# Altium PCB SAMW25_Xplained_Pro.PcbDoc (part 1 of 9) (continued)
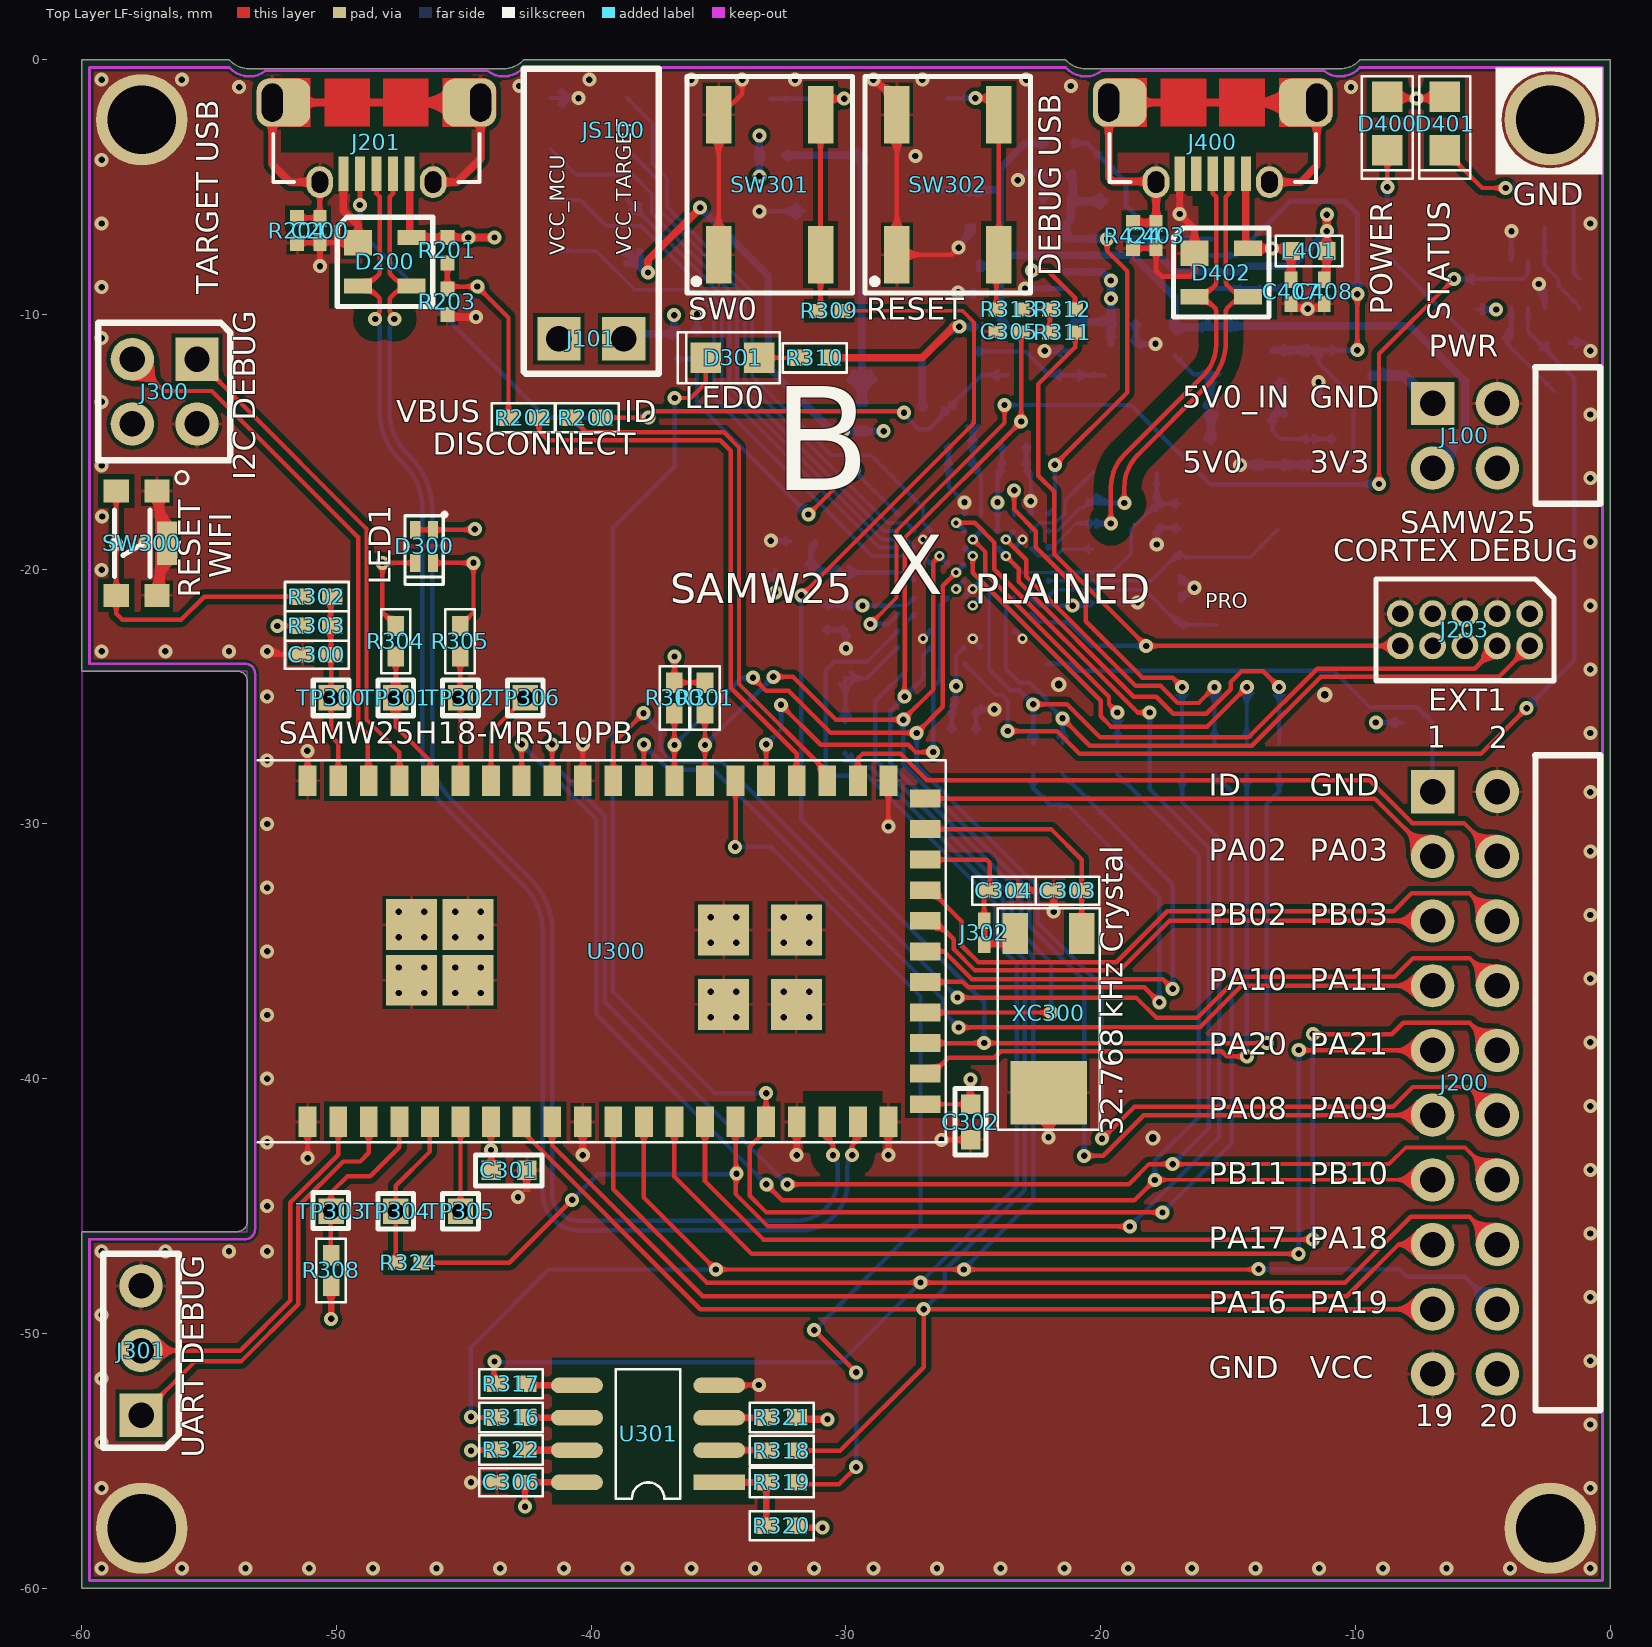
[diagram p0: Top Layer LF-signals view]
## Footprints (in the part's own frame and the unit in brackets; to place one, negate y for a bottom-side part, rotate by r counter-clockwise, add the part's x,y. Pads: shape width x height; smd on the part's side, far side on the other; paste and mask are expansions set on the pad) (continued)
  silkscreen extent -7.5,-13.65 7.5,13.36, body extent -7.45,-13.6 7.45,20.26, height 3.37

## Part data
C100 C102 C103 C306 C404 C410 C411 C412 C413: library part A01-0246, "Ceramic capacitor, SMD 0402, X7R, 16V, +/-10%"
C101 C104 C301 C302: library part A01-0491, "Ceramic capacitor, SMD 0603, X5R, 16V, 10UF ± 20% (High Density)"
C200 C403: library part A01-0046, "Ceramic capacitor, SMD 0402, X7R, 25V, +/-10%"
C300 C305: library part A01-0539, "Ceramic capacitor, SMD 0402, X7R, 16V, +/-10 %"
C303 C304: library part A01-0014, "Ceramic capacitor, SMD 0402, NP0, 50V, +/-5%"
C400 C401: library part A01-0019, "Ceramic capacitor, SMD 0402, NP0, 50V, +/-5%"
C402: library part A01-0015, "Ceramic capacitor, SMD 0402, NP0, 50V, +/-5%"
C405 C409 C414 C415: library part A01-0300, "Ceramic capacitor, SMD 0402, X5R, 6.3V, +/-20%"
C406 C407 C408: library part A01-0321, "Ceramic capacitor, SMD 0402, C0G, 50V, +/-5%"
D200 D402: library part A06-0236, "Double rail-to-rail USB ESD protection diode"
D300: library part A10-0154, "LED, Bicolor, Red/Green, Diffused, 1.6 x 0.8 mm (0603)"
D301 D401: library part A10-0019, "LED, Yellow, Wave length=591nm, SMD 0805, ±70°"
D400: library part A10-0018, "LED, Green, Wave length=575nm, SMD 0805, ±70°"
E1 E2 E3 E4: library part A08-0053, "2.8mm adhesive feet,diam 8.0mm"
J100: library part A08-1519, "Pin header, 2x2, Right Angle, 2.54mm, THT, Pin In Paste"
J101: library part A08-0764, "1x2 pin header, right angle, 2.54 mm pitch, through-hole"
J200: library part A08-1513, "Pin header, 2x10, Right Angle, 2.54mm, THM, Pin In Paste"
J201 J400: library part A08-2112, "Micro USB AB Connector, Standard SMT + DIP"
J203: library part A08-0385, "2x5 pin header, 1.27mm pitch, THM"
J300: library part A08-0115, "2x2 pin header, 2.54 mm pitch, Pin-in-Paste THM"
J301: library part A08-1799, "1x3 pin header, 2.54mm pitch, Pin-in-Paste THM, 1mm hole"
J302: library part A08-1454, "Closed Link 0402"
JS100: library part A08-0543, "Jumper cap for 2.54mm pinheader"
L401 L402: library part A03-0035, "SMD RF inductor 0603. Z=470Ohm (@100MHz), Max R(dc)=0.65Ohm, Max current=1A"
LABEL1: library part A09-0611, "PCBA identification label PP Top White Gloss"
Q100 Q101: library part A05-0087, "P-ch. MOSFET. -30V, -3.7A continuous,RDS(ON)=0.05Ohm@VGS=-4,5V, RDS(ON)=0.08Ohm@VGS=-2.5V"
Q102: library part A05-0085, "N-Channel MOSFET. 60V, 0.300A continuous, 1.2A Peak. RDS(ON) = 3.8Ohm@VGS=4.5V, VGS(th)<2.5V"
Q400: library part A05-0051, "Dual N-Channel MOSFET, 60V, 115mA cont,RDS(ON) < 7.5 Ohm @50mA@5V, SOT-363"
R101 R105 R106 R204 R410 R413 R424: library part A02-0284, "Thick film resistor, SMD 0402, 1/16W, 1%"
R103 R109 R110 R303 R308 R312 R320 R321 R322: library part A02-0260, "Thick film resistor, SMD 0402, 1/16W, 1%"
R104: library part A02-0250, "Thick film resistor, SMD 0402, 1/16W, 1%"
R107: library part A02-0202, "Thick film resistor, SMD 0402, 1/16W, 1%"
R108 R112 R113 R203: library part A02-0252, "Thick film resistor, SMD 0402, 1/16W, 1%"
R111 R324 R425: library part A02-0163, "Thick film resistor, SMD 0402, 1/16W, 1%"
R200 R310 R411 R412 R414 R416 R417 R418 R419 R420: library part A02-0200, "Thick film resistor, SMD 0402, 1/16W, 1%"
R201: library part A02-0247, "Thick film resistor, SMD 0402, 1/16W, 1%"
R202 R314 R315 R316 R317 R318 R319: library part A02-0163, "RES 0.0 OHM 1/16W 0402 SMD"
R300 R301: library part A02-0228, "Thick film resistor, SMD 0402, 1/16W, 1%"
R302 R309 R311 R313 R421 R422: library part A02-0178, "Thick film resistor, SMD 0402, 1/16W, 1%"
R304 R305 R409: library part A02-0212, "Thick film resistor, SMD 0402, 1/16W, 1%"
R423: library part A02-0539, "Thick film resistor, SMD 0402, 1/16W, 1%"
SW300: library part A08-0420, "Microminiature Tact Switch for SMT"
SW301 SW302: library part A08-0790, "6.2x6.2 mm SMD tact switch, same as A08-0091 but less force is needed"
TP300 TP301 TP302 TP303 TP304 TP305 TP306: library part A09-0290, "Hole for user grid with 1.27 mm pitch, 1x1 mm pad"
TP307 TP308 TP400 TP401 TP402 TP403 TP404 TP405 TP406 TP407: library part A08-0004, "Single SMD testpad"
U100: library part A06-1145, "1-A, LDO (0.455V @ 1A), 3.3V out, 1.5% accuracy, 6.0V Vin max."
U101: library part A06-0068, "Autoswitching 2:1 Power Mux"
U102: library part A06-1087, "Single channel power switch, 1A, reverse block, active low enabled."
U300: library part A06-1267, "IEEE 802.11 b/g/n module with onboard SAMD21G18A-MU and Crypto IC"
U301: library part A06-1051, "8Mbit SPI serial flash memory"
U400: library part A06-0736, "AVR 32-bit RISC MCU"
XC300: library part A07-0052, "32k768 crystal, +-20ppm, CL=7pF, max ESR 60kOhm, SMD"
XC400: library part A07-0042, "Fox FQ5032B 12.0MHz SMD crystal 738B-12"

## Free pads (board coordinates)
  round 0.8 smd far side: 0(-30.105,-20.125) 0(-30.029,-24.275) 0(-25.025,-14.166) 0(-6.863,-9.538) 0(-2.575,-6.575) 0(-2.172,-13.028)
  round 0.8 smd far side paste-1: 3(-22,-29.25) 3(-20.285,-29.25) 3(-19.85,-12.378) 3(-19.85,-5.55) 3(-19.825,-4) 3(-17.8,-16.25) 3(-15.675,-13.75) 3(-14.15,-8.975) 3(-12.925,-12.6)
  round 3.6 hole 2.7 paste-2.6: 666(-57.65,-57.65) 666(-57.65,-2.35) 666(-2.35,-57.65) 666(-2.35,-2.35)

## Via types
v1: diameter 0.55, hole 0.25, Top Layer LF-signals to Bottom Layer LF-signals, tented both sides, 213 vias
v2: diameter 0.55, hole 0.25, Top Layer LF-signals to Bottom Layer LF-signals, 46 vias
v3: diameter 0.55/0.8 (per signal layer), hole 0.25, Top Layer LF-signals to Bottom Layer LF-signals, tented top, 18 vias
v4: diameter 0.4, hole 0.2, Top Layer LF-signals to Bottom Layer LF-signals, 15 vias
v5: diameter 0.55, hole 0.25, Top Layer LF-signals to Bottom Layer LF-signals, tented top, 8 vias
v6: diameter 0.6, hole 0.3, Top Layer LF-signals to Bottom Layer LF-signals, tented both sides, 3 vias

## Nets (pads, with @x,y where several pads share a name; then routed paths per layer and width w, separated by ;. In a path a pad name is that pad's centre, name@x,y a point inside that pad or via, vN(x,y) a via of type N, cw(c..) or ccw(c..) an arc to the next point about the centre after c; other vN are vias at no path point)
DGI_GPIO0: R416.2 U400.F8 | length 39.2
  Top Layer LF-signals w0.175: v4(-25.025,-19.475) -25.025,-20.135 -20,-25.16 -20,-25.775 -19.6,-26.175 -15.815,-26.175 v3(-14.265,-24.625) ; -14.585,-24.945 cw(c-14.265,-25.265) v3@-14.265,-24.812 ; -14.585,-24.945 ccw(c-14.905,-24.625) v3@-14.452,-24.625 ; -14.585,-24.945 ccw(c-14.905,-24.625) v3@-14.452,-24.625 ; -14.585,-24.945 cw(c-14.265,-25.265) v3@-14.265,-24.812 ; -14.585,-24.945 ccw(c-14.905,-24.625) v3@-14.452,-24.625 ; -14.585,-24.945 cw(c-14.265,-25.265) v3@-14.265,-24.812 ; v3@-14.521,-24.881 cw(c-14.195,-24.968) v3@-14.262,-24.637 ; v3@-14.521,-24.881 ccw(c-14.608,-24.555) v3@-14.277,-24.622 ; v3@-14.521,-24.881 cw(c-14.195,-24.968) v3@-14.262,-24.637 ; v3@-14.521,-24.881 ccw(c-14.608,-24.555) v3@-14.277,-24.622 ; v3@-14.521,-24.881 cw(c-14.195,-24.968) v3@-14.262,-24.637 ; v3@-14.521,-24.881 ccw(c-14.608,-24.555) v3@-14.277,-24.622
  Bottom Layer LF-signals w0.15: U400.F8@-25.35,-19.15 v4(-25.025,-19.475) ; U400.F8@-25.286,-19.246 ccw(c-25.035,-18.996) v4@-25.028,-19.35 ; U400.F8@-25.254,-19.214 cw(c-25.504,-19.465) v4@-25.15,-19.472 ; -25.216,-19.316 cw(c-25.374,-19.475) v4@-25.15,-19.475 ; -25.184,-19.284 ccw(c-25.025,-19.126) v4@-25.025,-19.35 ; v4@-25.162,-19.37 ccw(c-25.454,-19.538) U400.F8@-25.367,-19.213 ; v4@-25.13,-19.338 cw(c-24.962,-19.046) U400.F8@-25.287,-19.133 ; R416.2@-14.265,-26.835 v3(-14.265,-24.625) ; U400.F8@-25.367,-19.213 cw(c-25.444,-19.499) -25.187,-19.351 ; U400.F8@-25.367,-19.213 cw(c-25.444,-19.499) -25.187,-19.351 ; U400.F8@-25.367,-19.213 cw(c-25.444,-19.499) -25.187,-19.351 ; U400.F8@-25.35,-19.215 cw(c-25.35,-19.372) -25.239,-19.261 ; U400.F8@-25.35,-19.215 cw(c-25.35,-19.372) -25.239,-19.261 ; U400.F8@-25.35,-19.215 cw(c-25.35,-19.372) -25.239,-19.261 ; U400.F8@-25.295,-19.242 ccw(c-25.035,-18.982) v4@-25.028,-19.35 ; U400.F8@-25.295,-19.242 ccw(c-25.035,-18.982) v4@-25.028,-19.35 ; U400.F8@-25.295,-19.242 ccw(c-25.035,-18.982) v4@-25.028,-19.35 ; U400.F8@-25.295,-19.242 ccw(c-25.035,-18.982) v4@-25.028,-19.35 ; U400.F8@-25.287,-19.133 ccw(c-25.001,-19.056) -25.149,-19.313 ; U400.F8@-25.287,-19.133 ccw(c-25.001,-19.056) -25.149,-19.313 ; U400.F8@-25.287,-19.133 ccw(c-25.001,-19.056) -25.149,-19.313 ; U400.F8@-25.285,-19.15 ccw(c-25.128,-19.15) -25.239,-19.261 ; U400.F8@-25.285,-19.15 ccw(c-25.128,-19.15) -25.239,-19.261 ; U400.F8@-25.285,-19.15 ccw(c-25.128,-19.15) -25.239,-19.261 ; U400.F8@-25.258,-19.205 cw(c-25.518,-19.465) v4@-25.15,-19.472 ; U400.F8@-25.258,-19.205 cw(c-25.518,-19.465) v4@-25.15,-19.472 ; U400.F8@-25.258,-19.205 cw(c-25.518,-19.465) v4@-25.15,-19.472 ; U400.F8@-25.258,-19.205 cw(c-25.518,-19.465) v4@-25.15,-19.472 ; -25.238,-19.262 cw(c-25.452,-19.475) v4@-25.15,-19.475 ; -25.238,-19.262 ccw(c-25.025,-19.048) v4@-25.025,-19.35 ; -25.238,-19.262 ccw(c-25.025,-19.048) v4@-25.025,-19.35 ; -25.238,-19.262 cw(c-25.452,-19.475) v4@-25.15,-19.475 ; -25.238,-19.262 ccw(c-25.025,-19.048) v4@-25.025,-19.35 ; -25.238,-19.262 cw(c-25.452,-19.475) v4@-25.15,-19.475 ; -25.212,-19.326 cw(c-25.361,-19.475) v4@-25.15,-19.475 ; -25.212,-19.326 cw(c-25.361,-19.475) v4@-25.15,-19.475 ; -25.212,-19.326 cw(c-25.361,-19.475) v4@-25.15,-19.475 ; -25.212,-19.326 cw(c-25.361,-19.475) v4@-25.15,-19.475 ; -25.174,-19.288 ccw(c-25.025,-19.139) v4@-25.025,-19.35 ; -25.174,-19.288 ccw(c-25.025,-19.139) v4@-25.025,-19.35 ; -25.174,-19.288 ccw(c-25.025,-19.139) v4@-25.025,-19.35 ; -25.174,-19.288 ccw(c-25.025,-19.139) v4@-25.025,-19.35 ; v3@-14.495,-24.855 cw(c-15.05,-25.41) -14.265,-25.41 ; v3@-14.495,-24.855 cw(c-15.05,-25.41) -14.265,-25.41 ; v3@-14.495,-24.855 cw(c-15.05,-25.41) -14.265,-25.41 ; R416.2@-14.442,-26.583 ccw(c-14.869,-26.156) -14.265,-26.156 ; R416.2@-14.442,-26.583 ccw(c-14.869,-26.156) -14.265,-26.156 ; R416.2@-14.442,-26.583 ccw(c-14.869,-26.156) -14.265,-26.156 ; v3@-14.389,-24.749 cw(c-14.687,-25.047) -14.265,-25.047 ; v3@-14.389,-24.749 cw(c-14.687,-25.047) -14.265,-25.047 ; v3@-14.389,-24.749 cw(c-14.687,-25.047) -14.265,-25.047 ; -14.265,-26.156 ccw(c-13.661,-26.156) R416.2@-14.088,-26.583 ; -14.265,-26.156 ccw(c-13.661,-26.156) R416.2@-14.088,-26.583 ; -14.265,-26.156 ccw(c-13.661,-26.156) R416.2@-14.088,-26.583 ; -14.265,-25.41 cw(c-13.48,-25.41) v3@-14.035,-24.855 ; -14.265,-25.41 cw(c-13.48,-25.41) v3@-14.035,-24.855 ; -14.265,-25.41 cw(c-13.48,-25.41) v3@-14.035,-24.855 ; -14.265,-25.047 cw(c-13.843,-25.047) v3@-14.141,-24.749 ; -14.265,-25.047 cw(c-13.843,-25.047) v3@-14.141,-24.749 ; -14.265,-25.047 cw(c-13.843,-25.047) v3@-14.141,-24.749
DGI_GPIO1: R417.2 U400.D8 | length 31.7
  Top Layer LF-signals w0.175: v4(-23.725,-19.475) -23.219,-19.981 -23.219,-20.481 -18.7,-25 -17.825,-25 -17.15,-25.675 -15.86,-25.675 -14.9,-24.715 -14.9,-24.425 -14.475,-24 -13.62,-24 v3(-12.995,-24.625) ; v4@-23.725,-19.587 cw(c-23.725,-19.859) -23.533,-19.667 ; v4@-23.725,-19.587 cw(c-23.725,-19.859) -23.533,-19.667 ; v4@-23.725,-19.587 cw(c-23.725,-19.859) -23.533,-19.667 ; v4@-23.613,-19.475 ccw(c-23.341,-19.475) -23.533,-19.667 ; v4@-23.613,-19.475 ccw(c-23.341,-19.475) -23.533,-19.667 ; v4@-23.613,-19.475 ccw(c-23.341,-19.475) -23.533,-19.667 ; -13.315,-24.305 cw(c-13.635,-24.625) v3@-13.182,-24.625 ; -13.315,-24.305 ccw(c-12.995,-23.985) v3@-12.995,-24.438 ; -13.315,-24.305 ccw(c-12.995,-23.985) v3@-12.995,-24.438 ; -13.315,-24.305 cw(c-13.635,-24.625) v3@-13.182,-24.625 ; -13.315,-24.305 ccw(c-12.995,-23.985) v3@-12.995,-24.438 ; -13.315,-24.305 cw(c-13.635,-24.625) v3@-13.182,-24.625 ; v3@-13.251,-24.369 cw(c-13.338,-24.695) v3@-13.007,-24.628 ; v3@-13.251,-24.369 ccw(c-12.925,-24.282) v3@-12.992,-24.613 ; v3@-13.251,-24.369 cw(c-13.338,-24.695) v3@-13.007,-24.628 ; v3@-13.251,-24.369 ccw(c-12.925,-24.282) v3@-12.992,-24.613 ; v3@-13.251,-24.369 cw(c-13.338,-24.695) v3@-13.007,-24.628 ; v3@-13.251,-24.369 ccw(c-12.925,-24.282) v3@-12.992,-24.613
  Bottom Layer LF-signals w0.15: U400.D8@-24.05,-19.15 v4(-23.725,-19.475) ; U400.D8@-23.986,-19.246 ccw(c-23.735,-18.996) v4@-23.728,-19.35 ; U400.D8@-23.954,-19.214 cw(c-24.204,-19.465) v4@-23.85,-19.472 ; -23.916,-19.316 cw(c-24.074,-19.475) v4@-23.85,-19.475 ; -23.884,-19.284 ccw(c-23.725,-19.126) v4@-23.725,-19.35 ; v4@-23.862,-19.37 ccw(c-24.154,-19.538) U400.D8@-24.067,-19.213 ; v4@-23.83,-19.338 cw(c-23.662,-19.046) U400.D8@-23.987,-19.133 ; R417.2@-12.995,-26.835 v3(-12.995,-24.625) ; U400.D8@-24.067,-19.213 cw(c-24.144,-19.499) -23.887,-19.351 ; U400.D8@-24.067,-19.213 cw(c-24.144,-19.499) -23.887,-19.351 ; U400.D8@-24.067,-19.213 cw(c-24.144,-19.499) -23.887,-19.351 ; U400.D8@-24.05,-19.215 cw(c-24.05,-19.372) -23.939,-19.261 ; U400.D8@-24.05,-19.215 cw(c-24.05,-19.372) -23.939,-19.261 ; U400.D8@-24.05,-19.215 cw(c-24.05,-19.372) -23.939,-19.261 ; U400.D8@-23.995,-19.242 ccw(c-23.735,-18.982) v4@-23.728,-19.35 ; U400.D8@-23.995,-19.242 ccw(c-23.735,-18.982) v4@-23.728,-19.35 ; U400.D8@-23.995,-19.242 ccw(c-23.735,-18.982) v4@-23.728,-19.35 ; U400.D8@-23.995,-19.242 ccw(c-23.735,-18.982) v4@-23.728,-19.35 ; U400.D8@-23.987,-19.133 ccw(c-23.701,-19.056) -23.849,-19.313 ; U400.D8@-23.987,-19.133 ccw(c-23.701,-19.056) -23.849,-19.313 ; U400.D8@-23.987,-19.133 ccw(c-23.701,-19.056) -23.849,-19.313 ; U400.D8@-23.985,-19.15 ccw(c-23.828,-19.15) -23.939,-19.261 ; U400.D8@-23.985,-19.15 ccw(c-23.828,-19.15) -23.939,-19.261 ; U400.D8@-23.985,-19.15 ccw(c-23.828,-19.15) -23.939,-19.261 ; U400.D8@-23.958,-19.205 cw(c-24.218,-19.465) v4@-23.85,-19.472 ; U400.D8@-23.958,-19.205 cw(c-24.218,-19.465) v4@-23.85,-19.472 ; U400.D8@-23.958,-19.205 cw(c-24.218,-19.465) v4@-23.85,-19.472 ; U400.D8@-23.958,-19.205 cw(c-24.218,-19.465) v4@-23.85,-19.472 ; -23.938,-19.262 cw(c-24.152,-19.475) v4@-23.85,-19.475 ; -23.938,-19.262 ccw(c-23.725,-19.048) v4@-23.725,-19.35 ; -23.938,-19.262 ccw(c-23.725,-19.048) v4@-23.725,-19.35 ; -23.938,-19.262 cw(c-24.152,-19.475) v4@-23.85,-19.475 ; -23.938,-19.262 ccw(c-23.725,-19.048) v4@-23.725,-19.35 ; -23.938,-19.262 cw(c-24.152,-19.475) v4@-23.85,-19.475 ; -23.912,-19.326 cw(c-24.061,-19.475) v4@-23.85,-19.475 ; -23.912,-19.326 cw(c-24.061,-19.475) v4@-23.85,-19.475 ; -23.912,-19.326 cw(c-24.061,-19.475) v4@-23.85,-19.475 ; -23.912,-19.326 cw(c-24.061,-19.475) v4@-23.85,-19.475 ; -23.874,-19.288 ccw(c-23.725,-19.139) v4@-23.725,-19.35 ; -23.874,-19.288 ccw(c-23.725,-19.139) v4@-23.725,-19.35 ; -23.874,-19.288 ccw(c-23.725,-19.139) v4@-23.725,-19.35 ; -23.874,-19.288 ccw(c-23.725,-19.139) v4@-23.725,-19.35
DGI_GPIO2: R418.2 U400.C10 | length 18.7
  Top Layer LF-signals w0.175: v1(-23.4,-16.9) -23.4,-17.65 -22.545,-18.505 -22.545,-19.139 -20.59,-21.095 -20.59,-22.035 -18.375,-24.25 -17.18,-24.25 v3(-16.805,-24.625) ; -17.125,-24.305 cw(c-17.445,-24.625) v3@-16.992,-24.625 ; -17.125,-24.305 ccw(c-16.805,-23.985) v3@-16.805,-24.438 ; -17.125,-24.305 ccw(c-16.805,-23.985) v3@-16.805,-24.438 ; -17.125,-24.305 cw(c-17.445,-24.625) v3@-16.992,-24.625 ; -17.125,-24.305 ccw(c-16.805,-23.985) v3@-16.805,-24.438 ; -17.125,-24.305 cw(c-17.445,-24.625) v3@-16.992,-24.625 ; v3@-17.061,-24.369 cw(c-17.148,-24.695) v3@-16.817,-24.628 ; v3@-17.061,-24.369 cw(c-17.148,-24.695) v3@-16.817,-24.628 ; v3@-17.061,-24.369 ccw(c-16.735,-24.282) v3@-16.802,-24.613 ; v3@-17.061,-24.369 ccw(c-16.735,-24.282) v3@-16.802,-24.613 ; v3@-17.061,-24.369 ccw(c-16.735,-24.282) v3@-16.802,-24.613 ; v3@-17.061,-24.369 cw(c-17.148,-24.695) v3@-16.817,-24.628
  Bottom Layer LF-signals w0.15: R418.2@-16.805,-26.835 v3(-16.805,-24.625)
  Bottom Layer LF-signals w0.175: U400.C10@-23.4,-17.85 v1(-23.4,-16.9)
DGI_GPIO3: R419.2 U400.C9 | length 27.8
  Top Layer LF-signals w0.175: v4(-23.725,-18.825) -22.925,-19.625 -22.925,-20.281 -18.631,-24.575 -17.65,-24.575 -16.975,-25.25 -16.16,-25.25 v3(-15.535,-24.625) ; -15.855,-24.945 cw(c-15.535,-25.265) v3@-15.535,-24.812 ; -15.855,-24.945 ccw(c-16.175,-24.625) v3@-15.722,-24.625 ; -15.855,-24.945 ccw(c-16.175,-24.625) v3@-15.722,-24.625 ; -15.855,-24.945 cw(c-15.535,-25.265) v3@-15.535,-24.812 ; -15.855,-24.945 ccw(c-16.175,-24.625) v3@-15.722,-24.625 ; -15.855,-24.945 cw(c-15.535,-25.265) v3@-15.535,-24.812 ; v3@-15.791,-24.881 cw(c-15.465,-24.968) v3@-15.532,-24.637 ; v3@-15.791,-24.881 ccw(c-15.878,-24.555) v3@-15.547,-24.622 ; v3@-15.791,-24.881 cw(c-15.465,-24.968) v3@-15.532,-24.637 ; v3@-15.791,-24.881 ccw(c-15.878,-24.555) v3@-15.547,-24.622 ; v3@-15.791,-24.881 cw(c-15.465,-24.968) v3@-15.532,-24.637 ; v3@-15.791,-24.881 ccw(c-15.878,-24.555) v3@-15.547,-24.622
  Bottom Layer LF-signals w0.15: v4(-23.725,-18.825) U400.C9@-23.4,-18.5 ; R419.2@-15.535,-26.835 v3(-15.535,-24.625) ; -23.511,-18.611 cw(c-23.4,-18.722) U400.C9@-23.4,-18.565 ; -23.511,-18.611 ccw(c-23.622,-18.5) U400.C9@-23.465,-18.5 ; -23.511,-18.611 ccw(c-23.622,-18.5) U400.C9@-23.465,-18.5 ; -23.511,-18.611 cw(c-23.4,-18.722) U400.C9@-23.4,-18.565 ; -23.511,-18.611 ccw(c-23.622,-18.5) U400.C9@-23.465,-18.5 ; -23.511,-18.611 cw(c-23.4,-18.722) U400.C9@-23.4,-18.565 ; v3@-15.765,-24.855 cw(c-16.32,-25.41) -15.535,-25.41 ; v3@-15.765,-24.855 cw(c-16.32,-25.41) -15.535,-25.41 ; v3@-15.765,-24.855 cw(c-16.32,-25.41) -15.535,-25.41 ; R419.2@-15.712,-26.583 ccw(c-16.139,-26.156) -15.535,-26.156 ; R419.2@-15.712,-26.583 ccw(c-16.139,-26.156) -15.535,-26.156 ; R419.2@-15.712,-26.583 ccw(c-16.139,-26.156) -15.535,-26.156 ; v3@-15.659,-24.749 cw(c-15.957,-25.047) -15.535,-25.047 ; v3@-15.659,-24.749 cw(c-15.957,-25.047) -15.535,-25.047 ; v3@-15.659,-24.749 cw(c-15.957,-25.047) -15.535,-25.047 ; -15.535,-26.156 ccw(c-14.931,-26.156) R419.2@-15.358,-26.583 ; -15.535,-26.156 ccw(c-14.931,-26.156) R419.2@-15.358,-26.583 ; -15.535,-26.156 ccw(c-14.931,-26.156) R419.2@-15.358,-26.583 ; -15.535,-25.41 cw(c-14.75,-25.41) v3@-15.305,-24.855 ; -15.535,-25.41 cw(c-14.75,-25.41) v3@-15.305,-24.855 ; -15.535,-25.41 cw(c-14.75,-25.41) v3@-15.305,-24.855 ; -15.535,-25.047 cw(c-15.113,-25.047) v3@-15.411,-24.749 ; -15.535,-25.047 cw(c-15.113,-25.047) v3@-15.411,-24.749 ; -15.535,-25.047 cw(c-15.113,-25.047) v3@-15.411,-24.749
EDBG_ADC0: R112.1 R113.2 U400.K10 | length 21.3
  Top Layer LF-signals w0.15: v3(-31.475,-17.85) -29.725,-16.1 v2(-29.7,-16.1)
  Bottom Layer LF-signals w0.15: R112.1@-36.725,-11.75 R113.2@-35.85,-11.75 -35.85,-13.475 v3(-31.475,-17.85) ; v2(-29.7,-16.1) U400.K10@-27.95,-17.85 ; -36.333,-11.75 cw(c-36.333,-12.233) -35.991,-11.891 ccw(c-36.333,-12.233) -36.333,-11.75 ; -36.333,-11.75 ccw(c-36.333,-11.267) -35.991,-11.609 cw(c-36.333,-11.267) -36.333,-11.75 ; -36.242,-11.75 cw(c-36.242,-11.267) -36.584,-11.609 ccw(c-36.242,-11.267) -36.242,-11.75 ; -36.242,-11.75 ccw(c-36.242,-12.233) -36.584,-11.891 cw(c-36.242,-12.233) -36.242,-11.75 ; -35.85,-12.258 cw(c-35.367,-12.258) -35.709,-11.916 ccw(c-35.367,-12.258) -35.85,-12.258 ; -35.85,-12.258 ccw(c-36.333,-12.258) -35.991,-11.916 cw(c-36.333,-12.258) -35.85,-12.258 ; v2@-29.7,-16.3 cw(c-29.7,-16.783) -29.359,-16.441 ; v2@-29.7,-16.3 cw(c-29.7,-16.783) -29.359,-16.441 ; v2@-29.7,-16.3 cw(c-29.7,-16.783) -29.359,-16.441 ; v2@-29.5,-16.1 ccw(c-29.017,-16.1) -29.359,-16.441 ; v2@-29.5,-16.1 ccw(c-29.017,-16.1) -29.359,-16.441 ; v2@-29.5,-16.1 ccw(c-29.017,-16.1) -29.359,-16.441 ; -28.061,-17.739 cw(c-28.172,-17.85) U400.K10@-28.015,-17.85 ; -28.061,-17.739 ccw(c-27.95,-17.628) U400.K10@-27.95,-17.785 ; -28.061,-17.739 ccw(c-27.95,-17.628) U400.K10@-27.95,-17.785 ; -28.061,-17.739 cw(c-28.172,-17.85) U400.K10@-28.015,-17.85 ; -28.061,-17.739 ccw(c-27.95,-17.628) U400.K10@-27.95,-17.785 ; -28.061,-17.739 cw(c-28.172,-17.85) U400.K10@-28.015,-17.85